# Altium PCB My_Forecaster.PcbDoc
Units mm, origin at the board's own origin, x right, y up, seen from the top; angles counter-clockwise.
Board outline 152.4 x 101.6 mm, 2 copper layers (Top Layer, Bottom Side); 41 components, 45 nets, 169 pads, 0 vias.
Unrouted connection lines stored in the file: 3.
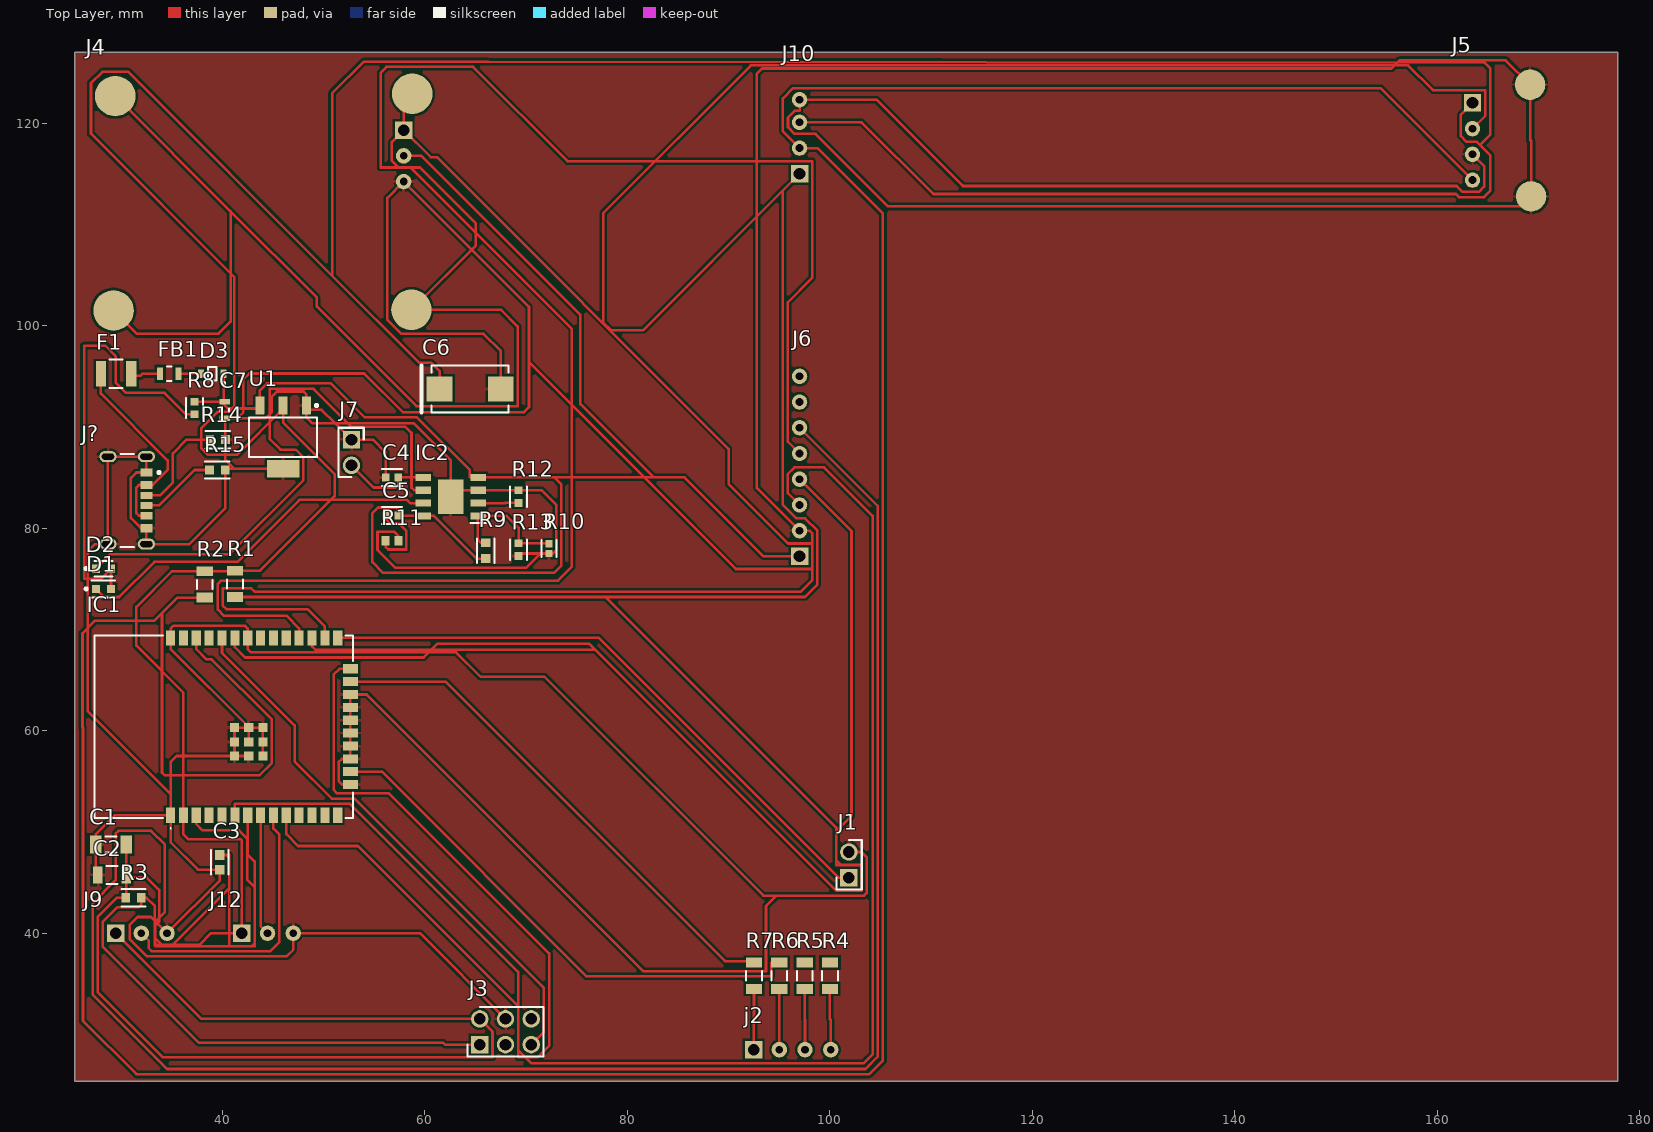
[diagram p0: Top Layer view]
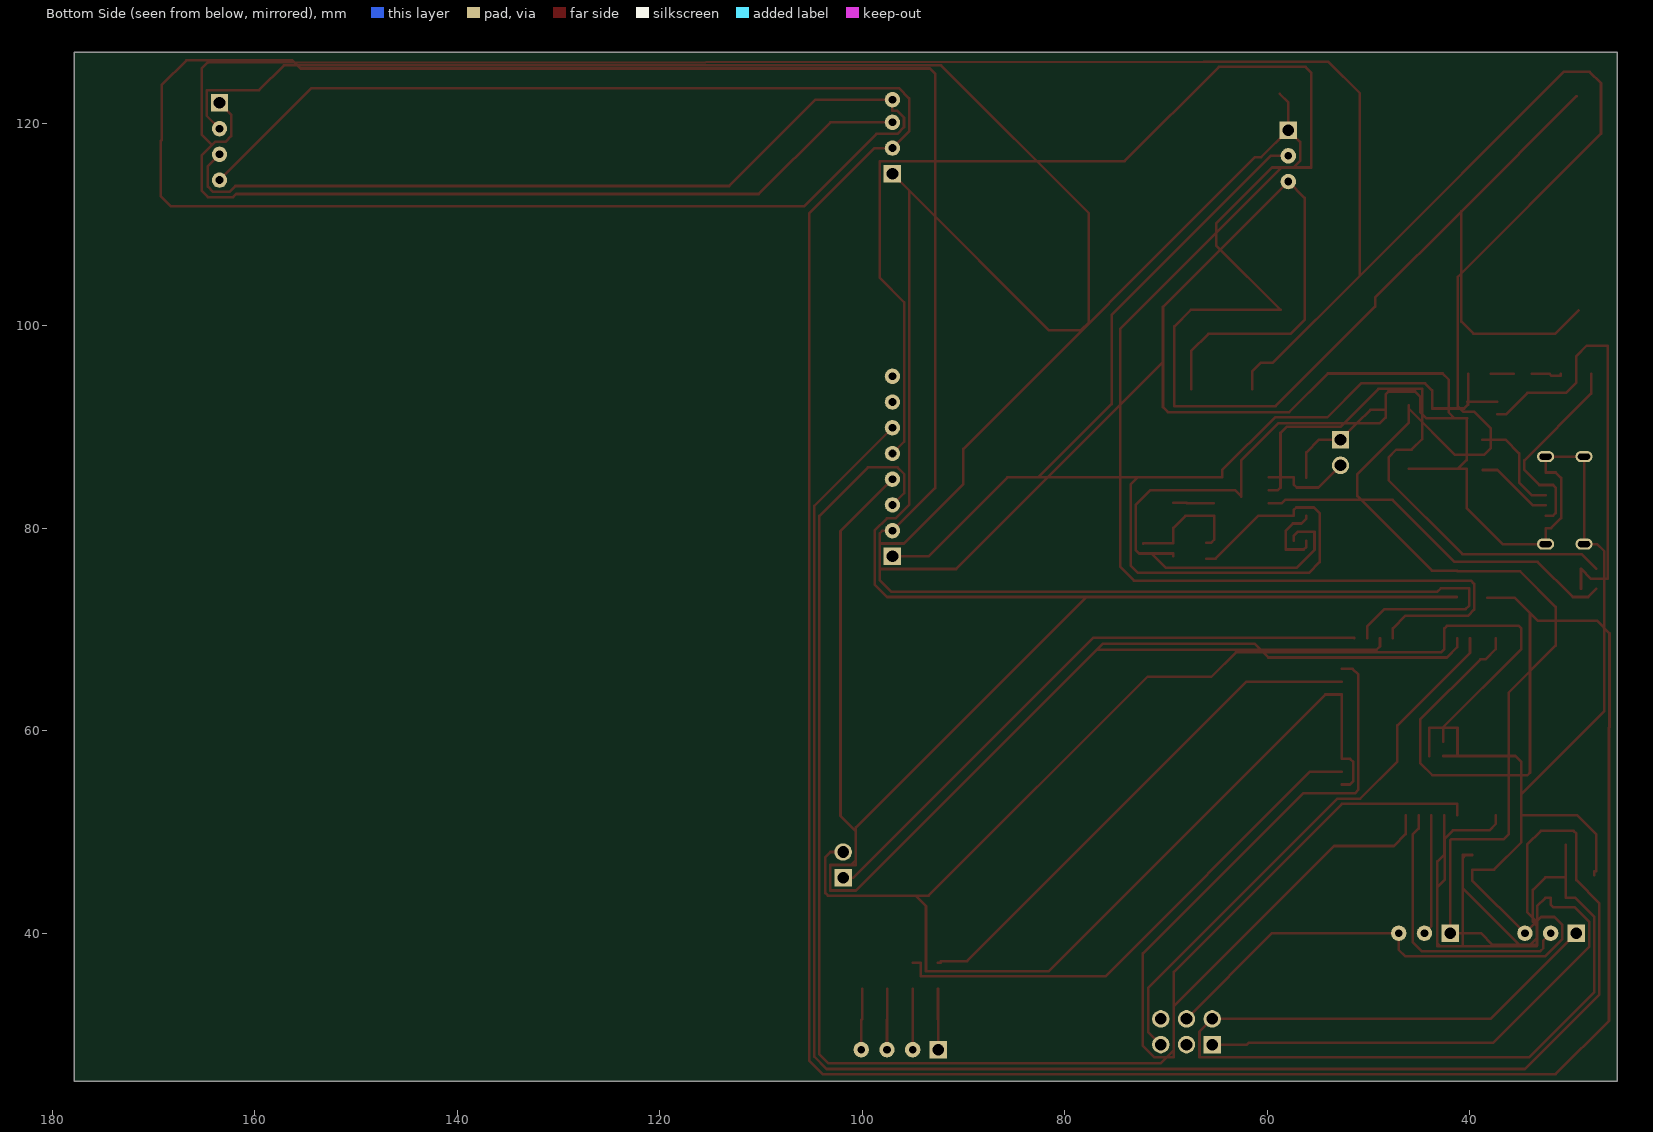
[diagram p1: Bottom Side view, seen from below]
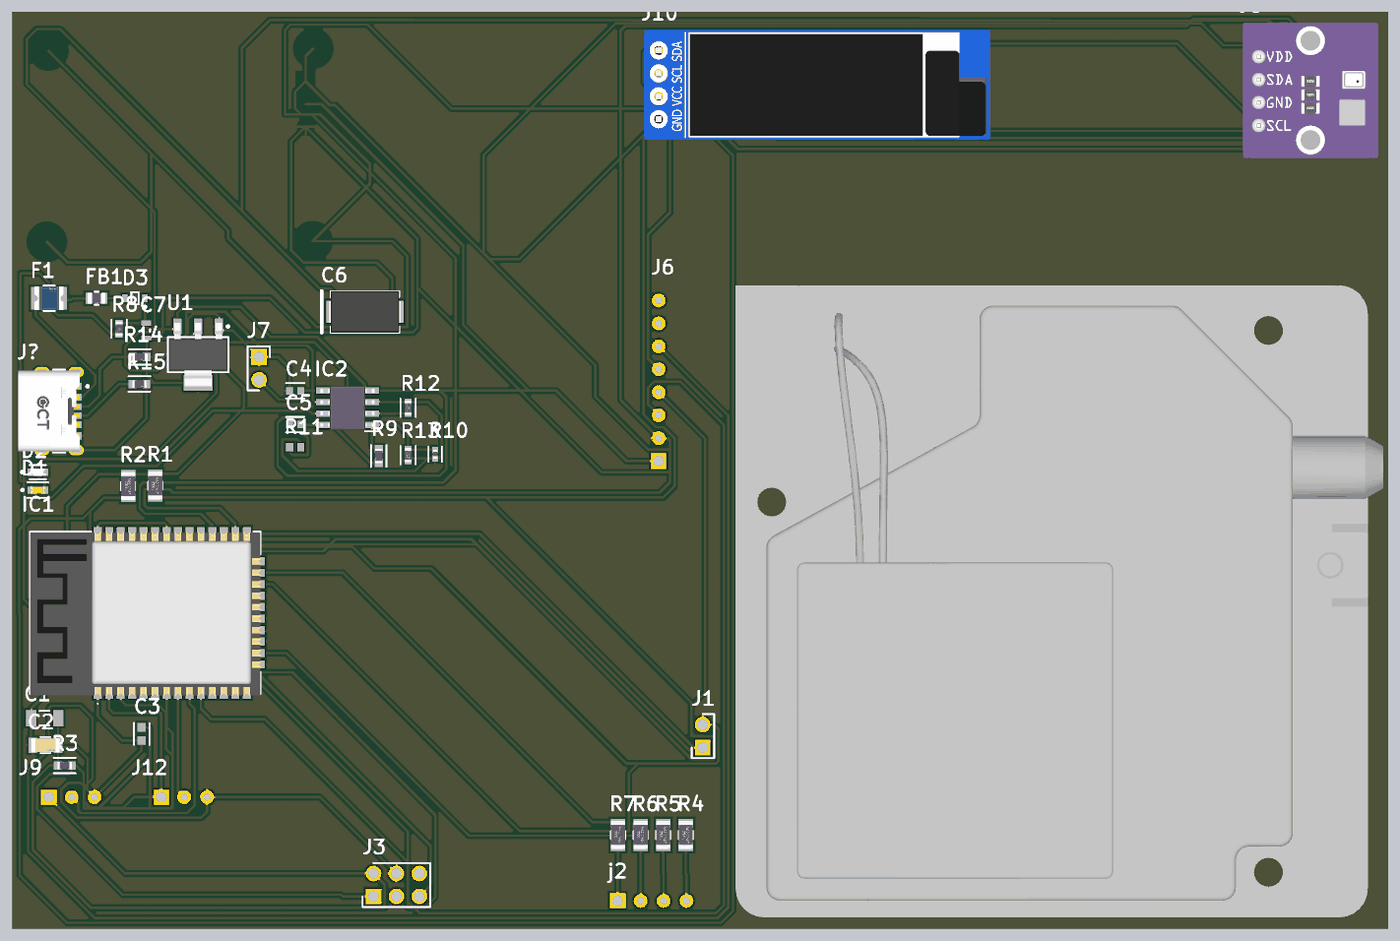
[diagram p2: 3D render of the assembled board from above, using the file's embedded part models]

## Layer stack, top to bottom
Top Solder: solder mask 0.0102, Solder Resist, Dk 3.5
Top Layer: signal copper 0.0356
Dielectric 1: dielectric 0.32, FR-4, Dk 4.8
Bottom Side: signal copper (thickness not stored)
Bottom Solder: solder mask 0.0102, Solder Resist, Dk 3.5

## Board outline
25.4,25.4 177.8,25.4 177.8,127 25.4,127

## Design rules (kind name [scope] priority, off if disabled: settings)
Clearance [All] p1: gap=0.254 ignorepadtopadclearanceinfootprint=TRUE
PolygonConnect [All] p1: connectstyle=Relief reliefconductorwidth=0.254 reliefentries=4 polygonreliefangle="90 Angle" airgapwidth=0.254
RoutingVias [All] p1: holewidth=0.711 width=1.27 viastyle="Through Hole" minholewidth=0.711 minwidth=1.27 maxholewidth=0.711 maxwidth=1.27
SolderMaskExpansion [All] p1: expansion=0.102 istentingtop=FALSE
SupplyNets "Schematic Supply Nets_2" [InNet('3V3')] p1: voltage=0.000
SupplyNets "Schematic Supply Nets_1" [InNet('5V')] p2: voltage=0.000
SupplyNets "Schematic Supply Nets" [InNet('GND')] p3: voltage=0.000
Width [All] p1: maxlimit=0.254 minlimit=0.254 preferedwidth=0.254 substack1={985E4DB7-7B05-4F5E-92DA-1C45B204A722} toplayer_{985e4db7-7b05-4f5e-92da-1c45b204a722}_maxwidth=2 bottomlayer_{985e4db7-7b05-4f5e-92da-1c45b204a722}_maxwidth=2
30 further rules are at their usual default settings.

## Classes and differential pairs
component class PowerPlant: C6 C7 D3 F1 FB1 J? R14 R15 U1
component class ESP32: C1 C2 C3 IC1 J1 j2 J3 R1 R2 R3 R4 R5 R6 R7
component class Communication: J4 J5 J6 J9 J10 J12
component class Battery_Circuit: C4 C5 D1 D2 IC2 J7 R8 R9 R10 R11 R12 R13

## Components (designator, comment, footprint, x,y, rotation, side; value= is the part's Value field where it differs from the comment)
C1 "CAP 10uF 10V 1206" CAPC1206(3216)190_N 29,48.75 r0 top value=10uF
C2 "CAP 0.1uF 16 V 1206" FP-C1206C-EB-MFG 29.1,45.75 r180 top value="0.10 μF"
C3 "10nF" FP-CL10-IPC_B 39.75,47 r270 top
C4 "10nF" FP-CL10-IPC_C 56.75,85 r180 top
C5 "10nF" FP-CL10-IPC_C 56.75,81.25 r180 top
C6 "293D107X9010D2TE3" VISH-7343-31_N 64.475,93.75 r0 top
C7 "TACL106M010RTA" CAPC1609X100X15NL20 40.25,91.675 r90 top
D1 "Orange" FP-LTST-C190KFKT-MFG 28.25,74 r0 top
D2 "White" FP-6_541-5091_01-4-MFG 28.25,76 r0 top
D3 "NSR1020MW2T3G" ONSC-SOD-323-2-477-02_V 39,95.25 r180 top
F1 "1210L050YR" FP-1210L050YR-MFG 29.5,95.25 r0 top
FB1 "BLM21PG220SN1D" FP-BLM21-0_2-t0_85-e0_5-MFG 34.75,95.25 r0 top
IC1 "ESP32-WROOM-32E-N4" ESP32WROOM32EN4 40.14,60.4 r90 top
IC2 "TP4056" SOIC127P600X175-9N 62.538,83.115 r180 top
J1 "1x2_2.54_Header" 1x2_2.54_Header 101.843,48.021 r0 top
j2 "JTAG" 1x4_2.54_Header 92.46,28.5 r270 top
J3 "2x3_2.54_Header" 2x3_2.54_Header 65.42,29 r0 top
J4 "KY-019" KY-019 15.525,123.925 r180 top
J5 "AHT_BMP" BMP280_AHT20 166,122 r0 top
J6 "PM2.5" PM2.5 141.02,58.43 r0 top
J7 "1x2_2.54_Header" 1x2_2.54_Header 52.775,86.21 r180 top
J9 "TTP223" TTP223_Sensor 49.78,40 r180 top
J10 "Oled Display" OLED_0.91_128x32 115,112.82 r0 top
J12 "TTP223" TTP223_Sensor 62.24,40 r180 top
J? "USB4125-GF-A-0190" FP-USB4125-GF-A-0190-MFG 29.5,82.75 r270 top
R1 "CRGCQ1206F10K" FP-CRGCQ1206-IPC_C 41.25,74.5 r90 top value=10KΩ
R2 "CRGCQ1206F10K" FP-CRGCQ1206-IPC_C 38.25,74.449 r90 top value=10KΩ
R3 "AC0603FR-1010KL" FP-AC0603-IPC_B 31.223,43.5 r180 top
R4 "CRGCQ1206J100R" FP-CRGCQ1206-IPC_C 100,35.801 r90 top value=100Ω
R5 "CRGCQ1206J100R" FP-CRGCQ1206-IPC_C 97.5,35.801 r90 top value=100Ω
R6 "CRGCQ1206J100R" FP-CRGCQ1206-IPC_C 95,35.801 r90 top value=100Ω
R7 "CRGCQ1206J100R" FP-CRGCQ1206-IPC_C 92.5,35.801 r90 top value=100Ω
R8 "CRGCQ0603J1K0" FP-CRGCQ0603-IPC_C 37.25,91.873 r90 top value=1KΩ
R9 "AC0603FR-1010KL" FP-AC0603-IPC_B 66,77.777 r270 top
R10 "NCU15XH103E6SRC" FP-NCP15-NCU15-0_05-IPC_A 72.25,77.979 r90 top
R11 "CRCW06031R00FKTA" RESC1609X50X30NL10T20 56.75,78.75 r180 top
R12 "CRGCQ0603J2K2" FP-CRGCQ0603-IPC_C 69.25,83.123 r270 top value=2.2KΩ
R13 "CRGCQ0603J4K7" FP-CRGCQ0603-IPC_C 69.25,77.877 r90 top value=4.7KΩ
R14 "AT0603FRE075K1L" FP-AT0603-IPC_B 39.527,88.75 r0 top
R15 "AT0603FRE075K1L" FP-AT0603-IPC_B 39.5,85.75 r0 top
U1 "LM1117IMP-3.3/NOPB" DCY0004A_N 46,89 r270 top

## Footprints (in the part's own frame and the unit in brackets; to place one, negate y for a bottom-side part, rotate by r counter-clockwise, add the part's x,y. Pads: shape width x height; smd on the part's side, far side on the other; paste and mask are expansions set on the pad)
1x2_2.54_Header [mm]
  rect 1.725x1.725 hole 1.15: 1(0.025,-2.54)
  round 1.725 hole 1.15: 2(0.025,0)
  silkscreen extent -1.19,-3.71 1.3,1.17
1x4_2.54_Header [mil]
  rect 67.91x67.91 hole 45.28: 1(0,0)
  round 60 hole 30: 2(0,100) 3(0,200) 4(0,300)
2x3_2.54_Header [mm]
  rect 1.725x1.725 hole 1.15: 1(0,0)
  round 1.725 hole 1.15: 2(0,2.54) 3(2.54,0) 4(2.54,2.54) 5(5.08,0) 6(5.08,2.54)
  silkscreen extent -1.21,-1.17 6.29,3.71
BMP280_AHT20 [mil]
  rect 67.91x67.91 hole 45.28: 1(-100,0)
  round 60 hole 30: 2(-100,-100) 3(-100,-200) 4(-100,-300)
  round 118.11 smd: 3(124.01,70.87) 3(127.95,-363.19)
  body extent -170,-442 420,149, height 59
CAPC1206(3216)190_N [mm] "Chip Capacitor, Body 3.2x1.6mm, Height 1.9mm, IPC Medium Density"
  rect 1.15x1.8 smd: 1(-1.5,0) 2(1.5,0)
  silkscreen extent -0.55,-0.8 0.55,0.8, body extent -1.7,-0.9 1.7,0.9, height 1.9
CAPC1609X100X15NL20 [mm] "Chip Capacitor, 2-Leads, Body 1.60x0.85mm, IPC Medium Density"
  rect 0.55x1.05 smd: 1(-0.825,0) 2(0.825,0)
  silkscreen extent -0.15,-0.43 0.15,0.42, body extent -0.9,-0.53 0.9,0.53, height 1
DCY0004A_N [mm] "SOT223, 4-Leads, Body 6.7x3.7mm, Pitch 2.3mm, IPC Medium Density"
  rrect11% 1.75x0.9 smd: 1(-3.125,2.3) 2(-3.125,0) 3(-3.125,-2.3)
  rrect6% 1.75x3.2 smd: 4(3.125,0)
  silkscreen extent -3.25,-3.35 1.95,3.43, body extent -3.5,-3.25 3.5,3.25, height 1.62
ESP32WROOM32EN4 [mm]
  rect 1.5x0.9 smd: 1(-8.75,5.26) 2(-8.75,3.99) 3(-8.75,2.72) 4(-8.75,1.45) 5(-8.75,0.18) 6(-8.75,-1.09) 7(-8.75,-2.36) 8(-8.75,-3.63) 9(-8.75,-4.9) 10(-8.75,-6.17) 11(-8.75,-7.44) 12(-8.75,-8.71) 13(-8.75,-9.98) 14(-8.75,-11.25) 25(8.75,-11.25) 26(8.75,-9.98) 27(8.75,-8.71) 28(8.75,-7.44) 29(8.75,-6.17) 30(8.75,-4.9) 31(8.75,-3.63) 32(8.75,-2.36) 33(8.75,-1.09) 34(8.75,0.18) 35(8.75,1.45) 36(8.75,2.72) 37(8.75,3.99) 38(8.75,5.26)
  rect 0.9x1.5 smd: 15(-5.715,-12.5) 16(-4.445,-12.5) 17(-3.175,-12.5) 18(-1.905,-12.5) 19(-0.635,-12.5) 20(0.635,-12.5) 21(1.905,-12.5) 22(3.175,-12.5) 23(4.445,-12.5) 24(5.715,-12.5)
  rect 0.9x0.9 smd: 39(-2.9,-1.06) 40(-2.9,-2.46) 41(-2.9,-3.86) 42(-1.5,-3.86) 43(-0.1,-3.86) 44(-0.1,-2.46) 45(-0.1,-1.06) 46(-1.5,-1.06) 47(-1.5,-2.46)
  silkscreen extent -10.1,-12.75 9,12.75, body extent -9.21,-12.84 8.98,12.75, height 3.2
FP-6_541-5091_01-4-MFG [mm]
  rect 0.8x0.8 smd paste+0 mask+0: 1(-0.75,0) 2(0.75,0)
  silkscreen extent -1.85,-0.78 0.9,0.78, body extent -1.25,-0.6 1.25,0.6, height 0.25
FP-1210L050YR-MFG [mm]
  rect 1x2.5 smd paste+0 mask+0: 1(-1.5,0) 2(1.5,0)
  silkscreen extent -0.62,-1.4 0.63,1.4, body extent -2.1,-1.5 2.1,1.5, height 0.25
FP-AC0603-IPC_B [mm]
  rect 0.859x0.912 smd paste+0 mask+0: 1(-0.777,0) 2(0.777,0)
  silkscreen extent -1.21,-0.86 1.21,0.86, body extent -1.46,-0.71 1.46,0.71, height 0.25
FP-AT0603-IPC_B [mm]
  rect 0.859x0.912 smd paste+0 mask+0: 1(-0.777,0) 2(0.777,0)
  silkscreen extent -1.21,-0.86 1.21,0.86, body extent -1.46,-0.71 1.46,0.71, height 0.25
FP-BLM21-0_2-t0_85-e0_5-MFG [mm]
  rect 0.6x1.25 smd paste+0 mask+0: 1(-0.9,0) 2(0.9,0)
  silkscreen extent -0.22,-0.73 0.22,0.73, body extent -1.3,-0.82 1.3,0.82, height 0.25
FP-C1206C-EB-MFG [mm]
  rect 0.95x1.7 smd paste+0 mask+0: 1(-1.4,0) 2(1.4,0)
  silkscreen extent -0.55,-0.9 0.55,0.9, body extent -2,-1 2,1, height 0.25
FP-CL10-IPC_B [mm]
  rect 0.958x0.912 smd paste+0 mask+0: 1(-0.727,0) 2(0.727,0)
  silkscreen extent -1.21,-0.86 1.21,0.86, body extent -1.46,-0.71 1.46,0.71, height 0.25
FP-CL10-IPC_C [mm]
  rect 0.758x0.812 smd paste+0 mask+0: 1(-0.627,0) 2(0.627,0)
  silkscreen extent -1.01,-0.85 1.01,0.85, body extent -1.11,-0.55 1.11,0.55, height 0.25
FP-CRGCQ0603-IPC_C [mm]
  rect 0.758x0.812 smd paste+0 mask+0: 1(-0.627,0) 2(0.627,0)
  silkscreen extent -1.01,-0.85 1.01,0.85, body extent -1.11,-0.55 1.11,0.55, height 0.25
FP-CRGCQ1206-IPC_C [mm]
  rect 0.956x1.61 smd paste+0 mask+0: 1(-1.301,0) 2(1.301,0)
  silkscreen extent -0.45,-0.78 0.45,0.77, body extent -1.88,-0.95 1.88,0.95, height 0.25
FP-LTST-C190KFKT-MFG [mm]
  rect 0.8x0.8 smd paste+0 mask+0: 1(-0.75,0) 2(0.75,0)
  silkscreen extent -1.82,-0.85 1.15,0.85, body extent -1.25,-0.55 1.25,0.55, height 0.25
FP-NCP15-NCU15-0_05-IPC_A [mm]
  rect 0.715x0.672 smd paste+0 mask+0: 1(-0.479,0) 2(0.479,0)
  silkscreen extent -0.84,-0.74 0.84,0.74, body extent -1.04,-0.54 1.04,0.54, height 0.25
FP-USB4125-GF-A-0190-MFG [mm]
  rrect100% 1.1x1.7 hole 1.2 slot 0.6 at 0 deg paste-2539.97 mask+0: 1(-4.32,3) 2(4.32,3) 3(-4.32,-0.8) 4(4.32,-0.8)
  rect 0.7x1.2 smd paste+0 mask+0: A5(-0.5,3) B5(0.5,3)
  rect 0.76x1.2 smd paste+0 mask+0: A9(1.52,3) B9(-1.52,3)
  rect 0.8x1.2 smd paste+0 mask+0: A12(2.75,3) B12(-2.75,3)
  silkscreen extent -4.6,0.43 4.6,4.38, body extent -4.97,-3.57 4.97,3.95, height 0.25
KY-019 [mm] "Relay, High-Side"
  round 4 smd: 1(-43.225,1.025) 1(-43.15,22.35) 1(-13.9,1.25) 1(-13.725,22.425)
  rect 1.725x1.725 hole 1.15: 1(-42.378,4.614)
  round 1.524 hole 0.762: 2(-42.378,7.154) 3(-42.378,9.694)
  body extent -49.64,-1.55 -11.21,25.15, height 16.95
OLED_0.91_128x32 [mil]
  rect 67.91x67.91 hole 45.28: 1(-708.66,85.83)
  round 60 hole 30: 2(-708.66,185.83) 3(-708.66,285.83) 4(-708.66,374.02)
  body extent -772,1 736,477, height 99
ONSC-SOD-323-2-477-02_V [mm] "SOD, 2-Leads, Body 1.7x1.25mm"
  rect 0.63x0.83 smd: 1(-1.115,0) 2(1.115,0)
  silkscreen extent -1.24,-0.67 0.4,1.09, body extent -0.85,-0.63 0.85,0.63, height 1.06
PM2.5 [mil]
  rect 67.91x67.91 hole 45.28: 1(-1733.07,739.76)
  round 60 hole 30: 2(-1733.07,839.76) 3(-1733.07,939.76) 4(-1733.07,1039.76) 5(-1733.07,1139.76) 6(-1733.07,1239.76) 7(-1733.07,1339.76) 8(-1733.07,1439.76)
  body extent -1398,-1250 1425,1506, height 829
RESC1609X50X30NL10T20 [mm] "Chip Resistor, 2-Leads, Body 1.55x0.85mm, IPC Medium Density"
  rect 0.8x0.95 smd: 1(-0.625,0) 2(0.625,0)
  body extent -0.82,-0.48 0.82,0.48, height 0.5
SOIC127P600X175-9N [mm]
  rect 1.525x0.7 smd: 1(-2.712,1.905) 2(-2.712,0.635) 3(-2.712,-0.635) 4(-2.712,-1.905) 5(2.712,-1.905) 6(2.712,-0.635) 7(2.712,0.635) 8(2.712,1.905)
  rect 2.513x3.402 smd: 9(0,0)
  silkscreen extent -3.48,2.6 -1.95,2.6, body extent -3,-2.45 3,2.45, height 1.75
TTP223_Sensor [mil]
  rect 67.91x67.91 hole 45.28: 1(800,0)
  round 60 hole 30: 2(700,0) 3(600,0)
  body extent 502,-49 915,522, height 39
VISH-7343-31_N [mm] "Molded Capacitor, 2-Leads, Body 7.6x4.6mm, IPC Medium Density"
  rect 2.55x2.45 smd: 1(-3.025,0) 2(3.025,0)
  silkscreen extent -4.8,-2.3 3.8,2.3, body extent -4.02,-2.3 4.02,2.3, height 3.1

## Part data
C1: library part CMP-1037-04966-1, "CAP 10uF 10V ±5% 1206 (3216 Metric) Thickness 1.9mm SMD", Case-EIA=1206, Case-Metric=3216, Rated Voltage="10 V", Tolerance=Â±5%, Max Thickness="1.9 mm", Technology=SMT
C2: library part CMP-03020-018021-2, "C1206 0.10 μF X7R 10.00% 16 V", Capacitance="0.10 μF", Manufacturer=KEMET, Manufacturer Part Number=C1206C104K4RACAUTO, Package=C1206C-EB, Temperature="-55°C to +150°C", Temperature Characteristic=X7R, Temperature Coefficient=15%, Temperature Range High=+150°C, Temperature Range Low=-55°C, Tolerance=0.1, Voltage Rating="16 V", Automotive=Yes, Automotive Grade="Grade 0", Category=Cap, ComponentLink2Description=Datasheet, ComponentLink2URL=https://content.kemet.com/datasheets/KEM_C1007_X8R_ULTRA_150C_SMD.pdf, Device Class L1="Passive Components", Device Class L2=Capacitors, Device Class L3="Ceramic Capacitors", Height=0.88mm, Ipc Land Pattern Name=CAPC320160X78, Lead Free=Yes, Material=Ceramic, Octopart=https://octopart.com/c1206c104k4racauto-kemet-95437231, RoHS=TRUE
C3 C4 C5: library part CMP-13271-004285-1, "Cap Ceramic 10nF 25V X7R ±10% Pad SMD 0603 +125°C T/R", Case Code (Imperial)=0603, Case Code (Metric)=1608, Dielectric=X7R, Max Operating Temperature=125°C, Min Operating Temperature=-55°C, Package Quantity=4000, Tolerance=10%, Voltage=50V, Voltage Rating=25V, Capacitance=10nF, Case/Package=0603, Construction=Flat, Contact Plating=Tin, Depth=0.8mm, Height=0.8mm, Length=1.6mm, Mount="Surface Mount", Packaging="Tape and Reel", Radiation Hardening=No, RoHS Compliant=Yes, Series=CL, Thickness=0.035inch, Width=0.031inch
C6: library part CMP-1666-00024-1, "Solid Tantalum Chip Capacitor, 100 uF, +/- 10%, 10 V, -55 to 125 degC, 2917 (7343 Metric), RoHS, Tape and Reel", Case Code (Imperial)=0603, Case Code (Metric)=1608, Max Operating Temperature="155 degC", Min Operating Temperature="-55 degC", Package Quantity=200, Power Rating="100 mW", Resistance="1.2 kohm", Tolerance=1%, Voltage Rating="50 V", Case\Package=0603, ComponentLink1Description="Manufacturer URL", ComponentLink1URL=http://www.vishay.com/, ComponentLink2Description=Datasheet, ComponentLink2URL=http://www.vishay.com/docs/40002/293d.pdf, DatasheetVersion=Aug-16, Height="0.45 mm", Length="1.6 mm", Mount="Surface Mount", PackageDescription="2-Pin Surface Mount Device, Body 7.3 x 4.3 mm", PackageReference=7343-31, Packaging="Tape and Reel", Pins=2, REACH SVHC="No SVHC", RoHSCompliant=true, Voltage Rating (DC)="50 V", Width="0.8 mm"
C7: library part CMP-2006-00192-1, Manufacturer="AVX Interconnect / Elco", Part Number=TACL106M010RTA
D1: library part CMP-1674-00008-9, "LED ORANGE CLEAR CHIP SMD", Case Code (Imperial)=0603, Case Code (Metric)=1608, Forward Current=30mA, Forward Voltage=2V, Lens Color=Colorless, Max Operating Temperature=85°C, Min Operating Temperature=-55°C, Package Quantity=3000, Power Dissipation=75mW, Reverse Voltage=5V, Test Current=20mA, Case/Package=0603, Color=Orange, Depth=1.6mm, Dominant Wavelength=605nm, Height=0.9mm, Illumination Color=Orange, Lead Free="Lead Free", Length=3.2mm, Lens Size=0.8mm, Lens Style=Flat, Lens Transparency=Clear, Luminous Intensity=90mcd, Mount="Surface Mount", Number of Elements=1, Number of LEDs=1, Number of Pins=2, Packaging="Tape and Reel", Power Rating=75mW, Radiation Hardening=No, RoHS Compliant=Yes, Series=-, Viewing Angle=130°, Wavelength=611nm, Width=0.8mm
D2: library part CMP-02520-000007-1, "LED COOL WHITE 0603 SMD", Ambient Temperature Range High=+80°C, Ambient Temperature Range Low=-20°C, Forward Current=5mA, Forward Voltage=3.15V, Manufacturer=Vishay, Manufacturer Part Number=VLMW1300-GS08, Package=6.541-5091.01-4, Power Dissipation=70mW, Temperature="-20°C to +80°C", Automotive=No, Category=Diode, Colour=White, ComponentLink2Description=Datasheet, ComponentLink2URL=http://www.vishay.com/docs/82435/vlmw1300.pdf, Device Class L1=Optoelectronics, Device Class L2=LEDs, Device Class L3=unset, Digikey Description="LED COOL WHITE 0603 SMD", Height=0.75mm, Lead Free=Yes, Led Orientation="Top View", Luminous Intensity=180mcd, Mouser Description="LED; SMD; 0603; white cold; 45-180mcd; 7000(typ)K; 130°; 5mA", Octopart=https://octopart.com/vlmw1300-gs08-vishay-21709203, RoHS=TRUE, Temperature Range High=+80°C, Temperature Range Low=-20°C, Viewing Angle=130°
D3: library part CMP-1055-00469-1, "Schottky Barrier Diode, 2-Pin SOD-323, Pb-Free, Tape and Reel", Manufacturer="On Semiconductor", ComponentLink1Description="Manufacturer URL", ComponentLink1URL=http://www.onsemi.com/, ComponentLink2Description=Datasheet, ComponentLink2URL=http://www.onsemi.cn/pub_link/Collateral/NSR1020MW2T1-D.PDF, ComponentLink3Description="Package Specification", ComponentLink3URL=http://www.onsemi.com/pub_link/Collateral/477-02.PDF.1, Configuration=Single, DatasheetVersion="Rev. 1", IFSM Max (A)=5, Mounting Technology="Surface Mount", PackageDescription="2-Pin SOD, Body 1.7 x 1.25 mm", PackageReference=SOD-323-2-477-02, PackageVersion="Rev. H, 03/2007", Packing="Tape and Reel", PartNumber=NSR1020MW2T3G, RoHS=TRUE
F1: library part CMP-08606-000067-1, "PTC RESET FUSE 13.2V 500MA 1210", Case Code (Imperial)=1210, Case Code (Metric)=3225, Current Rating=100A, Hold Current=500mA, Max Operating Temperature=85°C, Max Power Dissipation=600mW, Max Voltage Rating (DC)=13.2V, Min Operating Temperature=-40°C, Package Quantity=4000, Resistance=900mR, Trip Current=1A, Approvals=cULus, Case/Package=1210, Height=0.85mm, Lead Free="Lead Free", Length=3.43mm, Max Current Rating=100A, Operating Supply Voltage=13.2V, Packaging="Tape and Reel", Power Dissipation=600mW, REACH SVHC="No SVHC", Terminal Material=Copper, Termination=SMD/SMT, Time to Trip=0.1s, Voltage Rating=13.2V, Voltage Rating (DC)=13.2V, Width=2.8mm, Working Voltage=13.2V
FB1: library part CMP-0686-00622-4, "Chip Ferrite Bead, 0805, 22Ω @ 100MHz, 0.009Ω, 25%, 6A", Case Code (Imperial)=0805, Case Code (Metric)=2012, Current Rating=6A, DC Resistance (DCR)=9mR, Manufacturer Series=BLM21P, Max Operating Temperature=125°C, Min Operating Temperature=-55°C, Package Quantity=1, Resistance=10mR, Test Frequency=100MHz, Tolerance=25%, Case/Package=0805, Core Material=Ferrite, DC Current=6A, DC Resistance-Max=9mR, Depth=1.25mm, Height=0.85mm, Impedance=22R, Lead Free="Lead Free", Length=2mm, Material=Steel, Max Current Rating=6A, Max DC Current=6A, Number of Circuits=1, Number of Functions=1, Number of Lines=1, Number of Pins=2, Packaging="Tape and Reel", Radiation Hardening=No, REACH SVHC="No SVHC", RoHS Compliant=Yes, Series=BLM21P, Shielding=Unshielded, Terminal Finish=Tin, Termination=SMD/SMT, Weight=0.000194oz, Width=1.25mm
IC1: "Integrated Circuit", Manufacturer_Name="Espressif Systems", Mouser Part Number=356-ESP32WRM32E132PH, Datasheet Link=https://www.espressif.com/sites/default/files/documentation/esp32-wroom-32e_esp32-wroom-32ue_datasheet_en.pdf, Height=3.25mm, Manufacturer_Part_Number=ESP32-WROOM-32E-N4, Mouser Price/Stock=https://www.mouser.co.uk/ProductDetail/Espressif-Systems/ESP32-WROOM-32E-N4?qs=Li%252BoUPsLEnsPzTWsi%252BRMgQ%3D%3D
IC2: "Integrated Circuit", Manufacturer_Name=TPOWER, Datasheet Link=https://pdf1.alldatasheet.com/datasheet-pdf/download/1133270/TPOWER/TP4056.html, Height=1.75mm, Manufacturer_Part_Number=TP4056
J1 J7: "Connector"
j2: library part 1x4_2.54_Header, "Connector"
J3: "Connector", Arrow Part Number=5-146254-3, Manufacturer_Name="TE Connectivity", Mouser Part Number=571-5-146254-3, Arrow Price/Stock=https://www.arrow.com/en/products/5-146254-3/te-connectivity?utm_currency=USD&region=nac, Datasheet Link=https://4donline.ihs.com/images/VipMasterIC/IC/TYEL/TYEL-S-A0002895876/TYEL-S-A0002895876-1.pdf?hkey=52A5661711E402568146F3353EA87419, Height=8.21mm, Manufacturer_Part_Number=5-146254-3, Mouser Price/Stock=https://www.mouser.co.uk/ProductDetail/TE-Connectivity/5-146254-3?qs=bwpFY26eRVeBoCoMAqhLNw%3D%3D
J4: "High-Side Relay"
J5: "BMP280+AHT20. Temp+Humidity+Pressure."
J6: "Dust Sensor"
J9 J12: "Touch Sensor"
J10: library part OLED_0.91_128x32
J?: library part CMP-245163-000004-1, "CONN RCPT TYPE C 6P SMD RA"
R1 R2: library part CMP-03211-010884-1, "CRGCQ1206 10KΩ 0.25W 1% ±100ppm/°C 200V", Ambient Temperature Range High=+70°C, Manufacturer="TE Connectivity", Package=CRGCQ1206, Power Rating=0.25W, Resistance=10KΩ, Temperature="-55°C to +155°C", Temperature Coefficient=±100ppm/°C, Temperature Range High=+155°C, Temperature Range Low=-55°C, Tolerance=0.01, Voltage Rating=200V, Automotive=Yes, Automotive Grade="Grade 913", Category=Res, ComponentLink2Description=Datasheet, ComponentLink2URL=https://www.te.com/commerce/DocumentDelivery/DDEController?Action=showdoc&DocId=Data+Sheet%7F1773204-3%7F1%7Fpdf%7FEnglish%7FENG_DS_1773204-3_1.pdf%7F4-2176347-922, Composition="Thick Film", Device Class L1="Passive Components", Device Class L2=Resistors, Device Class L3="Chip SMD Resistors", Height=0.65mm, Ipc Land Pattern Name=RESC310155X55, Lead Free=Yes, Manufacturer Part Number=CRGCQ1206F10K, Octopart=https://octopart.com/crgcq1206f10k-te+connectivity-91018244, RoHS=TRUE, Series=CRGCQ
R3 R9: library part CMP-03412-017743-2, "RES 10KΩ 1.00% 0.1W 0603", Case Code (Imperial)=0603, Case Code (Metric)=1608, Max Operating Temperature=155°C, Min Operating Temperature=-55°C, Power Rating=100mW, Resistance=10kR, Temperature Coefficient=100ppm/°C, Tolerance=1%, Voltage Rating=50V, Case/Package=0603, Height=0.45mm, Length=1.6mm, Packaging="Tape and Reel", RoHS Compliant=Yes, Series=AC, Termination=SMD/SMT, Weight=7.1E-05oz, Width=0.8mm
R4 R5 R6 R7: library part CMP-03211-011244-1, "CRGCQ1206 100Ω 0.25W 5% ±200ppm/°C 200V", Ambient Temperature Range High=+70°C, Manufacturer="TE Connectivity", Package=CRGCQ1206, Power Rating=0.25W, Resistance=100Ω, Temperature="-55°C to +155°C", Temperature Coefficient=±200ppm/°C, Temperature Range High=+155°C, Temperature Range Low=-55°C, Tolerance=0.05, Voltage Rating=200V, Automotive=Yes, Automotive Grade="Grade 458", Category=Res, ComponentLink2Description=Datasheet, ComponentLink2URL=https://www.te.com/commerce/DocumentDelivery/DDEController?Action=showdoc&DocId=Data+Sheet%7F1773204-3%7F1%7Fpdf%7FEnglish%7FENG_DS_1773204-3_1.pdf%7F4-2176347-467, Composition="Thick Film", Device Class L1="Passive Components", Device Class L2=Resistors, Device Class L3="Chip SMD Resistors", Height=0.65mm, Ipc Land Pattern Name=RESC310155X55, Lead Free=Yes, Manufacturer Part Number=CRGCQ1206J100R, Octopart=https://octopart.com/crgcq1206j100r-te+connectivity-91018304, RoHS=TRUE, Series=CRGCQ
R8: library part CMP-03211-006828-1, "CRGCQ 0603 1K0 5%", Ambient Temperature Range High=+70°C, Manufacturer="TE Connectivity", Package=CRGCQ0603, Power Rating=0.1W, Resistance=1KΩ, Temperature="-55°C to +155°C", Temperature Coefficient=±100ppm/°C, Temperature Range High=+155°C, Temperature Range Low=-55°C, Tolerance=0.05, Voltage Rating=75V, Category=Res, ComponentLink2Description=Datasheet, ComponentLink2URL=https://www.te.com/commerce/DocumentDelivery/DDEController?Action=showdoc&DocId=Data+Sheet%7F1773204-3%7F1%7Fpdf%7FEnglish%7FENG_DS_1773204-3_1.pdf%7F4-2176339-695, Composition="Thick Film", Device Class L1="Passive Components", Device Class L2=Resistors, Device Class L3="Chip SMD Resistors", Digikey Description="CRGCQ 0603 1K0 5%", Height=0.55mm, Ipc Land Pattern Name=RESC16080X45, Lead Free=Yes, Manufacturer Part Number=CRGCQ0603J1K0, Octopart=https://octopart.com/crgcq0603j1k0-te+connectivity-91018104, RoHS=TRUE, Series=CRGCQ
R10: library part CMP-06022-000214-2, "NTC Thermistor for Temperature Sensor, Automotive, 0402, 10kΩ, 3%, 0.1mA, 5V", RoHS Compliant=Yes
R11: library part CMP-2000-03048-1, "1OHM", Manufacturer="Vishay Dale", Part Number=CRCW06031R00FKTA
R12: library part CMP-03211-007977-1, "CRGCQ0603 2.2KΩ 5% ±100ppm/°C 75V", Ambient Temperature Range High=+70°C, Manufacturer="TE Connectivity", Package=CRGCQ0603, Power Rating=0.1W, Resistance=2.2KΩ, Temperature="-55°C to +155°C", Temperature Coefficient=±100ppm/°C, Temperature Range High=+155°C, Temperature Range Low=-55°C, Tolerance=0.05, Voltage Rating=75V, Category=Res, ComponentLink2Description=Datasheet, ComponentLink2URL=https://www.te.com/commerce/DocumentDelivery/DDEController?Action=showdoc&DocId=Data+Sheet%7F1773204-3%7F1%7Fpdf%7FEnglish%7FENG_DS_1773204-3_1.pdf%7F4-2176339-767, Composition="Thick Film", Device Class L1="Passive Components", Device Class L2=Resistors, Device Class L3="Chip SMD Resistors", Height=0.55mm, Ipc Land Pattern Name=RESC16080X45, Lead Free=Yes, Manufacturer Part Number=CRGCQ0603J2K2, Octopart=https://octopart.com/crgcq0603j2k2-te+connectivity-91018114, RoHS=TRUE, Series=CRGCQ
R13: library part CMP-03211-000648-1, "CRGCQ 0603 4K7 5%", Ambient Temperature Range High=+70°C, Manufacturer="TE Connectivity", Package=CRGCQ0603, Power Rating=0.1W, Resistance=4.7KΩ, Temperature="-55°C to +155°C", Temperature Coefficient=±100ppm/°C, Temperature Range High=+155°C, Temperature Range Low=-55°C, Tolerance=0.05, Voltage Rating=75V, Category=Res, ComponentLink2Description=Datasheet, ComponentLink2URL=https://www.te.com/commerce/DocumentDelivery/DDEController?Action=showdoc&DocId=Data+Sheet%7F1773204-3%7F1%7Fpdf%7FEnglish%7FENG_DS_1773204-3_1.pdf%7F4-2176339-847, Composition="Thick Film", Device Class L1="Passive Components", Device Class L2=Resistors, Device Class L3="Chip SMD Resistors", Digikey Description="CRGCQ 0603 4K7 5%", Height=0.55mm, Ipc Land Pattern Name=RESC16080X45, Lead Free=Yes, Manufacturer Part Number=CRGCQ0603J4K7, Mouser Description="Res Thick Film 0603 4.7K Ohm 5% 0.1W(1/10W) ±100ppm/C Pad SMD Automotive T/R", Octopart=https://octopart.com/crgcq0603j4k7-te+connectivity-91018128, RoHS=TRUE, Series=CRGCQ
R14 R15: library part CMP-03412-047308-1, "Thin Film Chip Resistors Automotive Grade 5.1kΩ 1% 50ppm/°C 0603"
U1: library part CMP-0062-01631-4, "800mA Low-Dropout Linear Regulator, 4-pin SOT-223, Pb-Free", Manufacturer="Texas Instruments", PackageTopMarking=XYTT*N05B, PowerWise=N, Code_IPC=SOT223-4, Code_JEDEC=TO-261-AA, ComponentLink1Description="Datasheet URL", ComponentLink1URL=http://www.ti.com/general/docs/lit/getliterature.tsp?genericPartNumber=LM1117-N&fileType=pdf, CompType="LDO IC", High-Reliability=Y, PackageDescription="Molded SOT-223, 6.50 x 3.56 x 1.6mm Body, 4 Lead, 2.3mm Pitch", PackageReference=DCY0004A, PartNumber=LM1117IMP-3.3/NOPB, PinCount=4, RoHS=Y

## Nets (pads, with @x,y where several pads share a name; then routed paths per layer and width w, separated by ;. In a path a pad name is that pad's centre, name@x,y a point inside that pad or via, vN(x,y) a via of type N, cw(c..) or ccw(c..) an arc to the next point about the centre after c; other vN are vias at no path point)
3V3: C1.2 C2.1 C6.1 IC1.2 J3.2 J5.1 J9.1 J10.3 J12.1 R1.2 R2.2 R3.2 U1.2 | length 521.9
  Top Layer w0.254: J9.1 37.92,31.54 J3.2 66.675,30.285 66.675,27.737 34.138,27.737 27.686,34.188 27.686,41.62 29.566,43.5 R3.2 30.5,43.5 C2.1@30.5,45.517 ; C1.2 C2.1 C2.1@30.5,45.517 ; U1.2 U1.2@46,91.796 ; C6.1 61.45,95.504 60.612,96.342 59.436,96.342 50.851,104.927 ; J10.3 103.135,120.08 110.211,113.005 161.823,113.005 162.128,112.7 164.592,112.7 165.202,113.309 165.202,116.84 164.198,117.843 ; J5.1 162.307,120.847 162.307,118.719 162.839,118.186 163.855,118.186 164.198,117.843 ; C2.1@30.5,45.517 32.512,45.517 33.757,44.272 33.757,41.148 33.376,40.767 33.376,39.497 34.036,38.837 37.719,38.837 38.882,40 J12.1 41.92,49.165 41.783,49.301 36.613,49.301 36.15,49.764 IC1.2 36.15,63.748 31.496,68.402 31.496,72.238 35.008,75.75 R2.2 41.199,75.75 R1.2 43.721,75.801 51.079,83.16 51.079,85.345 46,90.424 U1.2@46,91.796 ; U1.2@46,91.796 41.453,87.249 38.557,87.249 37.922,87.884 37.922,89.891 39.548,91.516 40.64,91.516 41.173,92.05 41.173,104.826 27.026,118.974 27.026,123.952 28.143,125.07 30.709,125.07 50.851,104.927 ; 50.851,104.927 50.851,122.961 53.95,126.06 66.256,126.06 164.643,125.984 165.227,125.4 165.227,118.872 164.198,117.843
5V: C5.1 C7.2 D3.1 IC2.4 IC2.8 J4.2 J6.1 R8.2 R9.2 U1.3 | length 162.7
  Top Layer w0.254: R8.2 C7.2@40.115,92.5 ; D3.1 C7.2@40.115,92.5 ; C7.2 C7.2@40.157,92.5 ; J4.2 59.658,116.771 75.362,101.067 75.362,92.265 82.607,85.02 ; R9.2 65.094,77 60.884,81.21 IC2.8 58.014,81.21 57.974,81.25 C5.1 57.377,81.788 57.123,82.042 55.372,82.042 54.813,81.483 54.813,76.657 55.88,75.59 72.746,75.59 73.482,76.327 73.482,84.328 72.79,85.02 ; J6.1 93.443,77.22 85.643,85.02 82.607,85.02 ; C7.2@40.115,92.5 C7.2@40.157,92.5 ; C7.2@40.157,92.5 40.157,92.202 40.538,91.821 43.7,91.821 U1.3 43.7,93.603 44.401,94.304 50.712,94.304 54.061,90.956 59.216,90.956 64.44,85.732 64.44,85.02 IC2.4 72.79,85.02 ; 72.79,85.02 82.607,85.02
ADC2_CH7: IC1.12
BOOT0: IC1.25 J1.1 | length 60.3
  Top Layer w0.254: IC1.25 51.39,69.164 77.172,69.164 100.855,45.481 J1.1
CC1: J?.A5 R14.1 | length 10.2
  Top Layer w0.254: J?.A5 33.858,83.25 35.103,84.495 35.103,87.376 36.477,88.75 R14.1
CC2: J?.B5 R15.1 | length 7.7
  Top Layer w0.254: J?.B5 33.762,82.25 37.262,85.75 R15.1
ESP_EN: C3.1 IC1.3 J3.1 R3.1 | length 94.3
  Top Layer w0.254: R3.1 R3.1@32,43.485 ; IC1.3 37.42,50.8 38.055,50.165 41.656,50.165 42.443,49.378 42.443,45.314 43.18,44.577 43.18,38.735 40.665,38.735 40.665,44.425 ; C3.1 40.386,47.727 ; J3.1 61.992,29 61.798,29.194 37.659,29.194 28.194,38.659 28.194,41.148 29.609,42.563 31.735,42.563 32,42.828 R3.1@32,43.485 ; R3.1@32,43.485 32.512,43.485 33.325,42.672 33.325,38.837 35.077,38.837 40.665,44.425 ; 40.386,47.727 40.665,47.727 40.665,47.448 ; 40.386,47.727 40.665,47.448 ; 40.665,44.425 40.665,47.448
ESP_RxD: IC1.34 J3.5 | length 55.2
  Top Layer w0.254: IC1.34 39.96,67.697 47.142,60.514 47.142,56.947 50.8,53.289 53.061,53.289 71.755,34.595 71.755,30.255 J3.5
ESP_TxD: IC1.35 J3.3
GND: C1.1 C2.2 C3.2 C4.2 C6.2 C7.1 IC1.1 IC1.15 IC1.17 IC1.18 IC1.19 IC1.20 IC1.21 IC1.22 IC1.32 IC1.38 IC1.39 IC1.40 IC1.41 IC1.42 IC1.43 IC1.44 IC1.45 IC1.46 IC1.47 IC2.3 IC2.9 J1.2 J3.4 J4.3 J5.3 J6.2 J7.1 J9.3 J10.4 J12.3 J?.1 J?.2 J?.3 J?.4 J?.A12 J?.B12 R10.1 R11.1 R12.1 R13.1 R14.2 R15.2 U1.1 U1.4 | length 860.8
  Top Layer w0.254: C2.2 27.7,46.126 27.5,46.126 C1.1 27.5,49.784 29.38,51.664 IC1.1@34.88,51.664 ; J?.4 J?.4@28.677,78.43 ; C7.1 C7.1@40.303,90.85 ; IC1.40 IC1.39 ; IC1.47 IC1.44 ; IC1.41 IC1.42 IC1.43 IC1.44@42.652,60.3 ; U1.4 41.148,85.875 ; IC1.15 51.816,54.685 51.486,55.015 51.486,56.896 51.815,57.225 IC1.17 IC1.18 IC1.19 IC1.20 IC1.21 IC1.22 54.256,63.575 81.587,36.243 93.686,36.243 93.686,42.672 94.727,43.713 ; C4.2 56.123,87.491 54.864,88.75 J7.1 51.127,90.373 ; R11.1 57.375,79.248 56.994,79.629 55.321,79.629 55.321,77.851 57.061,76.111 70.017,76.111 71.406,77.5 ; C6.2 67.5,97.485 65.798,99.187 57.683,99.187 56.286,100.584 56.286,112.615 J4.3 70.282,101.852 70.282,96.393 ; J3.4 59.5,40 J12.3 47,38.364 46.355,37.719 32.563,37.719 30.836,39.446 30.836,40.818 31.623,41.605 32.935,41.605 J9.3 39.75,45.21 C3.2 37.592,46.273 34.88,48.985 IC1.1 IC1.1@34.88,51.664 ; R13.1 69.25,77.5 71.406,77.5 ; J1.2 103.124,48.021 103.632,47.513 103.632,43.967 103.378,43.713 94.727,43.713 ; J5.3@163.46,116.92 164.617,115.763 164.617,113.741 164.084,113.208 162.484,113.208 161.9,113.792 113.132,113.792 104.604,122.32 J10.4 97,121.223 96.52,121.223 95.857,120.56 95.857,119.6 96.52,118.937 98.589,118.937 105.74,111.785 168.26,111.785 169.25,112.775 169.25,118.237 169.15,118.337 169.15,123.8 166.737,126.213 156.261,126.213 155.448,125.4 93.294,125.4 92.786,124.892 92.786,83.974 J6.2 97.989,79.76 98.247,79.502 98.247,75.971 90.703,75.971 70.282,96.393 ; J?.4@28.677,78.43 28.677,87.07 J?.3 J?.1 J?.B12 31.496,85.5 30.963,84.967 30.963,81.003 31.965,80 J?.A12 J?.2 36.749,78.43 40.277,81.958 R15.2 40.277,85.875 41.148,85.875 ; J?.4@28.677,78.43 27.401,78.43 26.695,77.724 26.695,61.925 34.88,53.741 ; IC1.1@34.88,51.664 34.88,53.741 ; 34.88,53.741 34.88,56.896 35.484,57.5 IC1.39 ; C7.1@40.303,90.85 41.472,90.85 ; C7.1@40.303,90.85 R14.2 40.303,86.72 41.148,85.875 ; IC1.39 IC1.46 IC1.45 IC1.44 ; 41.472,90.85 44.266,90.85 44.856,91.44 44.856,92.964 45.39,93.497 48.021,93.497 48.3,93.218 U1.1 U1.1@48.3,91.694 ; 41.472,90.85 42.062,91.44 42.062,94.666 42.672,95.275 54,95.275 57.812,91.464 69.798,91.464 70.282,91.948 70.282,96.393 ; IC1.44 IC1.44@42.652,60.3 ; IC1.44@42.652,60.3 34.88,68.072 IC1.38 34.88,70.104 35.134,70.358 42.246,70.358 42.5,70.104 IC1.32 42.5,68.072 42.83,67.742 63.094,67.742 65.507,65.329 71.806,65.329 93.421,43.713 94.727,43.713 ; U1.1@48.3,91.694 49.806,91.694 51.127,90.373 ; U1.1@48.3,91.694 48.3,90.932 48.859,90.373 51.127,90.373 ; 51.127,90.373 58.88,90.373 62.538,86.716 IC2.9 63.173,83.75 IC2.3 R12.1 71.52,83.75 72.974,82.296 72.974,77.83 72.644,77.5 R10.1 71.406,77.5
I2C_SCL: IC1.36 J5.4 J10.2 R2.1 | length 348.9
  Top Layer w0.254: IC1.36 37.42,68.072 38.436,67.056 38.938,67.056 44.856,61.138 44.856,56.769 43.688,55.601 34.29,55.601 34.036,55.855 34.036,71.624 ; R2.1 35.56,73.148 34.036,71.624 ; J5.4 154.371,123.469 96.368,123.469 95.349,122.451 95.349,119.191 J10.2 98.755,117.54 105.232,111.063 105.232,27.432 103.886,26.086 31.499,26.086 26.238,31.347 26.238,60.3 26.187,60.35 26.187,69.621 27.432,70.866 33.278,70.866 34.036,71.624
I2C_SDA: IC1.33 J5.2 J10.1 R1.1 | length 385.3
  Top Layer w0.254: IC1.33 41.23,68.244 42.24,67.234 59.868,67.234 61.214,68.58 76.251,68.58 100.609,44.221 103.124,44.221 103.124,46.736 101.905,46.736 101.879,46.761 101.092,46.761 100.609,47.244 100.609,50.444 77.855,73.199 R1.1 41.25,73.203 97.536,73.203 98.755,74.422 98.755,79.756 97.536,80.975 96.698,80.975 95.326,82.347 95.326,113.326 ; J10.1 95.326,113.326 ; J5.2 164.719,120.719 164.719,123.266 159.537,123.266 157.099,125.705 92.202,125.705 77.603,111.105 77.603,100.324 78.359,99.568 81.568,99.568 95.326,113.326
IO4: IC1.26 J4.1 | length 260.9
  Top Layer w0.254: J4.1@29.25,101.5 31.538,99.212 39.624,99.212 40.818,100.406 40.818,111.282 ; J4.1@29.425,122.675 40.818,111.282 ; IC1.26 50.12,70.282 48.393,72.009 40.386,72.009 40.056,72.339 40.056,74.066 42.85,74.066 43.205,73.711 97.104,73.711 98.247,74.854 98.247,78.486 95.86,78.486 89.989,84.356 89.989,87.844 61.196,116.637 60.577,116.637 J4.1@57.903,119.311 ; J4.1@58.75,122.9 57.903,122.053 J4.1@57.903,119.311 ; 40.818,111.282 49.327,102.773 49.327,101.872 59.149,92.05 69.164,92.05 69.164,99.924 67.513,101.575 58.675,101.575 65.024,107.924 65.024,110.109 59.512,115.621 57.404,115.621 56.744,116.281 56.744,118.152 J4.1@57.903,119.311
IO5: IC1.29
IO12: IC1.14 R5.2
IO13: IC1.16 R6.2 | length 52.1
  Top Layer w0.254: IC1.16 55.754,55.955 75.974,35.735 94.194,35.735 94.194,37.102 R6.2
IO14: IC1.13 R4.2
IO15: IC1.23 R7.2 | length 51.4
  Top Layer w0.254: IC1.23 62.028,64.845 89.63,37.243 92.244,37.243 92.244,37.102 R7.2
IO16: IC1.27 J6.4 | length 111
  Top Layer w0.254: IC1.27 48.85,68.326 49.18,67.996 76.835,67.996 100.609,44.221 103.124,44.221 103.124,46.736 100.609,46.736 100.609,50.063 102.133,51.587 102.133,79.707 J6.4
IO17: IC1.28 J6.5 | length 183.4
  Top Layer w0.254: IC1.28 47.58,70.104 46.31,71.374 40.132,71.374 39.548,71.958 39.548,74.498 39.878,74.828 73.152,74.828 74.524,76.2 74.524,99.695 58.598,115.621 55.626,115.621 55.626,124.968 56.21,125.552 64.77,125.552 74.066,116.256 98.247,116.256 98.247,104.724 95.834,102.311 95.834,88.546 J6.5
IO18: IC1.30
IO19: IC1.31
IO23: IC1.37
IO25: IC1.10 IC1.24 | length 90.7
  Top Layer w0.254: IC1.10 46.31,49.784 47.478,48.616 53.391,48.616 69.215,32.791 69.215,27.737 71.12,27.737 72.263,28.88 72.263,37.998 56.439,53.823 51.333,53.823 50.978,54.178 50.978,65.532 51.561,66.115 IC1.24
IO26: IC1.11
IO32: IC1.8 J12.2 | length 11.9
  Top Layer w0.254: IC1.8 43.77,40.69 J12.2
IO33: IC1.9 J9.2 | length 27.9
  Top Layer w0.254: J9.2 32.729,39.271 32.729,38.518 33.02,38.227 44.729,38.227 45.618,39.116 45.618,49.757 45.04,50.336 IC1.9
IO34: IC1.6 J6.3 | length 147
  Top Layer w0.254: IC1.6 41.23,52.781 52.603,52.781 69.215,36.17 69.215,28.448 70.51,27.153 103.327,27.153 104.216,28.042 104.216,81.204 99.416,86.004 96.495,86.004 95.834,85.344 95.834,83.466 J6.3
IO35: IC1.7 J6.6 | length 202
  Top Layer w0.254: IC1.7 42.5,47.777 43.18,47.097 43.18,38.989 42.926,38.735 33.376,38.735 33.376,41.148 34.315,42.088 34.315,48.768 32.969,50.114 29.718,50.114 29.464,49.86 29.464,45.237 27.178,42.951 27.178,33.96 34.544,26.594 103.5,26.594 104.724,27.818 104.724,82.196 J6.6
NetC4_1: C4.1 IC2.5 J7.2 | length 8.8
  Top Layer w0.254: J7.2 54.937,84.023 57.072,84.023 57.377,84.328 C4.1 57.377,85.02 IC2.5
NetC5_2: C5.2 R11.2 | length 7.4
  Top Layer w0.254: C5.2 56.123,80.956 56.617,80.463 57.449,80.463 58.156,79.756 58.156,77.894 56.388,77.894 56.125,78.157 R11.2
NetD1_1: D1.1 IC2.7 | length 36.8
  Top Layer w0.254: D1.1 28.297,73.203 29.794,73.203 33.274,76.683 41.478,76.683 47.6,82.804 58.223,82.804 58.547,82.48 IC2.7
NetD1_2: D1.2 D2.2 R8.1 | length 43.3
  Top Layer w0.254: D1.2 D2.2 28.006,75.006 26.34,75.006 26.34,98.019 28.448,98.019 29.464,97.003 29.464,94.386 30.48,93.37 34.29,93.37 36.414,91.246 R8.1
NetD2_1: D2.1 IC2.6 | length 57.9
  Top Layer w0.254: D2.1 28.945,77.445 40.716,77.445 48.006,84.734 48.006,86.995 47.244,87.757 45.72,87.757 44.679,88.798 44.679,93.751 48.997,93.751 52.73,90.018 58.064,90.018 58.674,89.408 58.674,84.004 58.928,83.75 IC2.6
NetD3_2: D3.2 FB1.2 | length 2.2
  Top Layer w0.254: FB1.2 D3.2
NetF1_2: F1.2 FB1.1 | length 3.1
  Top Layer w0.254: F1.2 31,95.067 31.937,95.067 32.106,95.236 33.85,95.236 FB1.1
NetIC2_1: IC2.1 R9.1 R10.2 R13.2 | length 12.3
  Top Layer w0.254: R9.1 65.532,78.553 65.227,78.858 65.227,81.21 IC2.1 68.072,81.21 69.25,80.032 R13.2 72.25,78.504 R10.2
NetIC2_2: IC2.2 R12.2 | length 4
  Top Layer w0.254: IC2.2 67.92,82.48 67.936,82.496 R12.2
Netj2_1: j2.1 R7.1 | length 6
  Top Layer w0.254: j2.1 92.46,31.471 92.5,31.511 R7.1
Netj2_2: j2.2 R6.1 | length 6
  Top Layer w0.254: j2.2 R6.1
Netj2_3: j2.3 R5.1 | length 6
  Top Layer w0.254: R5.1 97.5,31.511 97.54,31.471 j2.3
Netj2_4: j2.4 R4.1 | length 6
  Top Layer w0.254: R4.1 100,31.525 100.08,31.445 j2.4
SENS_VN: IC1.5
SENS_VP: IC1.4
VBUS: F1.1 J?.A9 J?.B9 | length 19.7
  Top Layer w0.254: F1.1 28,93.294 34.595,86.699 34.595,85.761 33.104,84.27 J?.B9 31.75,84.27 31.496,84.016 31.496,81.484 31.75,81.23 J?.A9
pads on no net: J3.6 J6.7 J6.8

## Polygon pours and split planes (outlines as drawn)
GND on Top Layer "GND_L01_P000" (solid, pour order 0): 25.375,126.975 25.4,127 177.8,127 177.8,25.4 25.4,25.4